# Altium PCB Dashcam.PcbDoc (part 3 of 6) (continued)
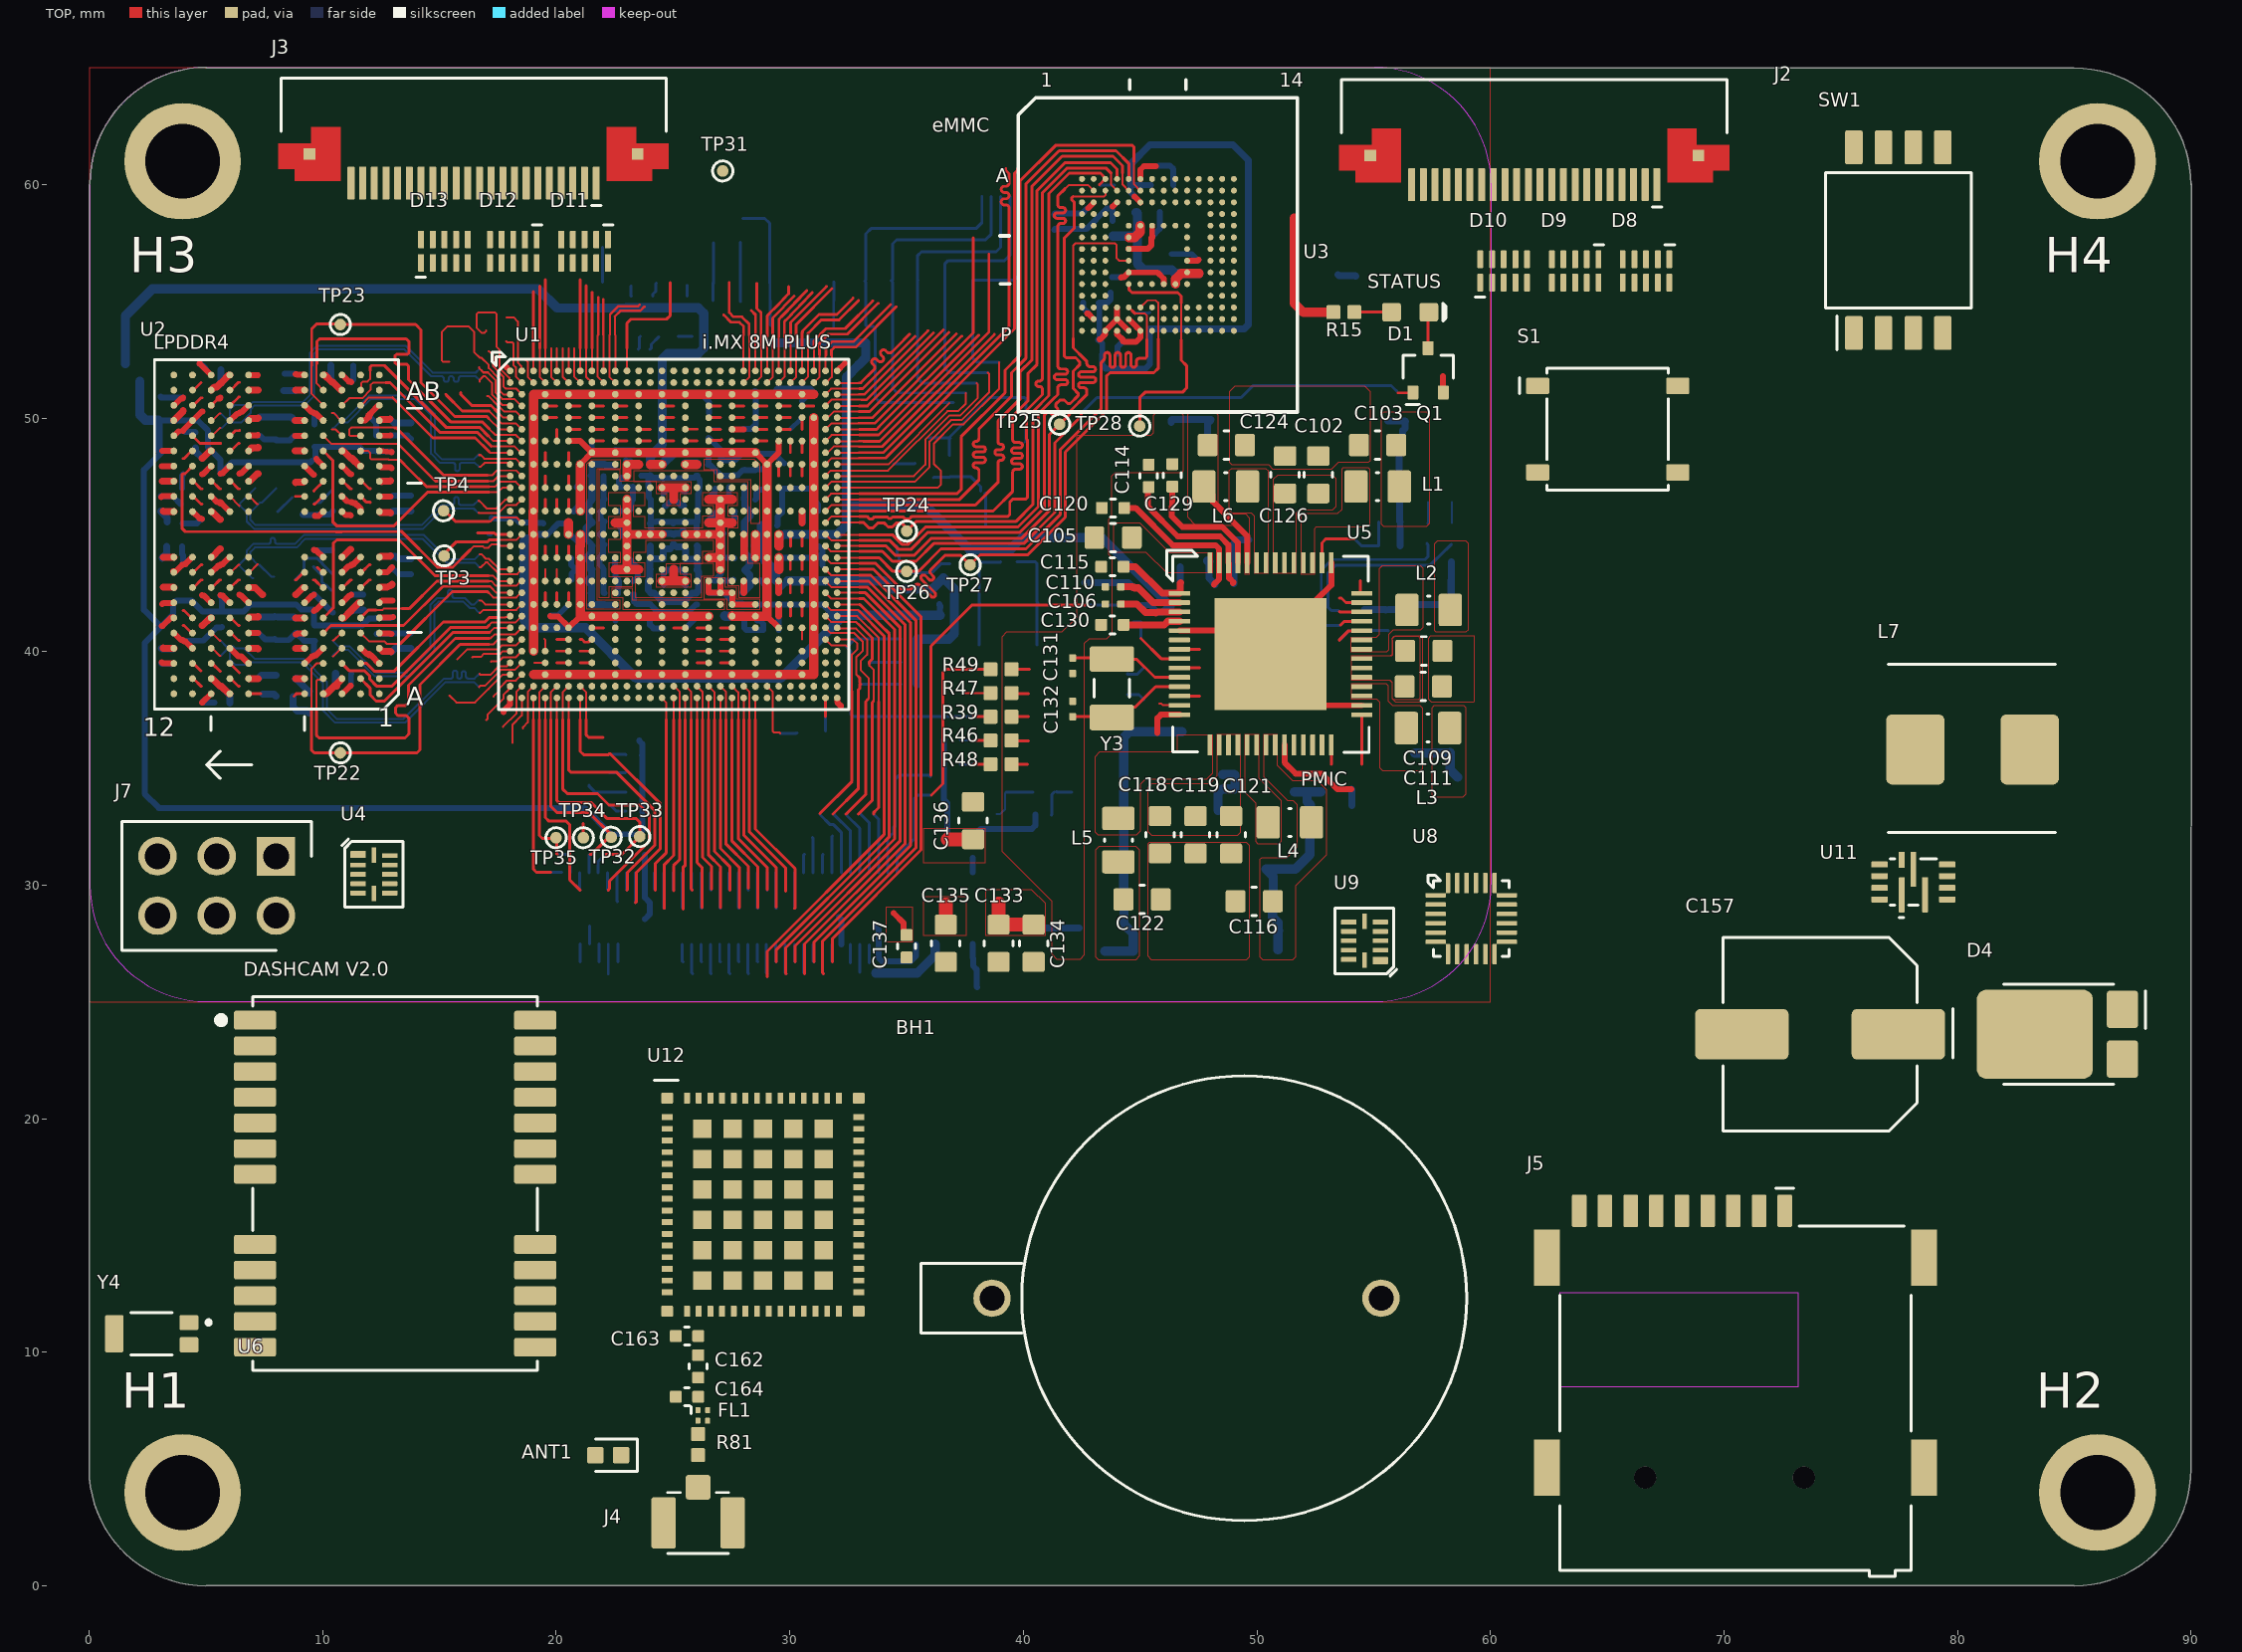
[diagram p0: TOP view]
## Nets (pads, with @x,y where several pads share a name; then routed paths per layer and width w, separated by ;. In a path a pad name is that pad's centre, name@x,y a point inside that pad or via, vN(x,y) a via of type N, cw(c..) or ccw(c..) an arc to the next point about the centre after c; other vN are vias at no path point) (continued)
DRAM_DATA15_B: U1.AH1 U2.B9 | length 15.9
  TOP w0.085: 17.004,37.068 17.06,37.124 17.06,37.31 17.502,37.753 17.738,37.988 17.738,38.152 17.961,38.376 17.961,38.403 18.028,38.47 U1.AH1@18.028,38.525
  L3_IN1 w0.085: 6.412,38.465 6.428,38.449 6.428,36.417 7.072,35.773 16.775,35.773 17.004,36.001 17.004,37.068
DRAM_DMI0_A: U1.B2 U2.Y10 | length 20.1
  TOP w0.085: 17.848,53.297 17.898,53.248 18.118,53.248 18.167,53.198 18.167,52.517 18.167,52.513 18.167,52.288 18.274,52.181 18.274,51.779 18.481,51.572 U1.B2@18.528,51.572
  L3_IN1 w0.085: 5.625,50.911 5.664,50.911 6.006,51.253 6.006,54.162 6.082,54.239 17.309,54.239 17.69,53.858 18.426,53.858 18.502,53.781 18.502,52.993 18.499,52.99 18.453,52.943 17.866,52.943 17.82,52.99 17.817,52.993 17.817,53.265 17.848,53.297
DRAM_DMI0_B: U1.AB2 U2.C3 | length 9.4
  TOP w0.085: 17.122,41.131 17.25,41.259 17.502,41.259 18.262,41.259 U1.AB2@18.528,41.525
  TOP w0.127: U2.C3@10.828,39.5 11.152,39.176 11.797,39.176 12.019,38.954 12.019,38.821 12.3,38.54 12.306,38.54 12.33,38.516 12.949,38.516 15.48,41.047 17.038,41.047 17.122,41.131
DRAM_DMI1_A: U1.H2 U2.Y3 | length 9.5
  TOP w0.085: U2.Y3@10.832,50.581 10.859,50.581 11.138,50.86 11.696,50.86 12.051,51.215 12.051,51.419 12.152,51.521 12.686,51.521 ; 17.209,48.803 18.198,48.803 18.452,48.549 U1.H2@18.553,48.549
  TOP w0.127: 12.686,51.521 12.889,51.521 15.023,49.387 16.625,49.387 17.209,48.803
DRAM_DMI1_B: U1.AH2 U2.C10 | length 19.1
  TOP w0.085: 17.715,36.789 18.3,37.374 18.3,37.523 18.3,37.53 18.3,38.297 U1.AH2@18.528,38.525
  L3_IN1 w0.085: 5.675,39.126 5.677,39.126 6.006,38.797 6.006,35.9 6.844,35.062 17.512,35.062 17.715,35.265 17.715,36.789
DRAM_nCS0_A: U1.N6 U2.R4 | length 18
  TOP w0.12: U1.N6@20.528,46.025 20.528,46.525
  L3_IN1 w0.085: 9.628,46.883 9.641,46.869 10.693,46.869 10.77,46.793 10.77,46.303 10.679,46.212 10.197,46.212 10.008,46.023 10.008,45.609 10.129,45.487 13.386,45.487 13.448,45.55 13.473,45.574 13.498,45.599 13.498,46.185 13.547,46.234 13.768,46.234 13.818,46.185 13.818,45.906 13.867,45.857 15.912,45.857 16.039,45.984 16.039,46.754 16.15,46.865 17.386,46.865 17.663,46.865 cw(c17.663,46.748) 17.781,46.748 17.781,46.422 ccw(c17.898,46.422) 18.016,46.422 18.016,46.76 cw(c18.133,46.76) 18.251,46.76 18.251,46.422 ccw(c18.368,46.422) 18.486,46.422 18.486,46.748 cw(c18.603,46.748) 18.603,46.865 18.8,46.865 20.49,46.865 20.54,46.816 20.54,46.587 20.56,46.568
DRAM_nCS0_B: U1.U4 U2.H4 | length 18.2
  TOP w0.12: U1.U4@19.528,44.025 19.528,44.525
  L3_IN1 w0.085: 9.231,43.85 9.231,43.435 9.593,43.074 ; 9.231,43.875 9.231,43.952 9.282,44.002 9.943,44.002 10.044,44.104 10.044,44.501 10.094,44.551 10.756,44.551 10.806,44.501 10.806,44.231 10.992,44.045 11.679,44.045 12.109,44.475 14.246,44.475 14.565,44.155 14.642,44.155 14.684,44.155 ccw(c14.684,44.247) 14.777,44.247 14.777,44.258 cw(c14.869,44.258) 14.869,44.351 cw(c14.869,44.258) 14.962,44.258 14.962,43.993 ccw(c15.054,43.993) 15.054,43.901 ccw(c15.054,43.993) 15.147,43.993 15.147,44.258 cw(c15.239,44.258) 15.239,44.351 cw(c15.239,44.258) 15.332,44.258 15.332,43.993 ccw(c15.424,43.993) 15.424,43.901 ccw(c15.424,43.993) 15.517,43.993 15.517,44.258 cw(c15.609,44.258) 15.609,44.351 cw(c15.609,44.258) 15.702,44.258 15.702,43.993 ccw(c15.794,43.993) 15.794,43.901 ccw(c15.794,43.993) 15.887,43.993 15.887,44.062 cw(c15.979,44.062) 15.979,44.155 16.013,44.155 16.166,44.002 16.267,43.901 16.267,43.444 16.47,43.24 16.895,43.24 17.502,43.848 17.817,44.162 17.817,44.637 17.867,44.688 18.071,44.688 18.121,44.637 18.121,44.256 18.172,44.206 18.3,44.206 18.35,44.255 18.35,44.638 18.4,44.688 18.605,44.688 18.655,44.638 18.655,44.282 18.756,44.18 19.469,44.18 19.518,44.23 19.518,44.536
DRAM_nCS1_A: U1.J4 U2.R3 | length 18.1
  TOP w0.12: U1.J4@19.528,48.025 19.528,48.525
  L3_IN1 w0.085: 11.227,46.971 10.886,46.971 10.643,47.214 10.643,47.623 10.959,47.939 11.543,47.939 11.619,47.863 11.619,47.635 11.771,47.482 12.229,47.482 12.356,47.609 12.356,48.27 12.178,48.447 11.746,48.447 11.67,48.524 11.67,49.032 11.848,49.209 12.279,49.209 12.544,48.945 12.569,48.92 12.723,48.91 ccw(c12.729,48.995) 12.729,48.91 13.065,48.91 cw(c13.065,48.825) 13.072,48.91 13.102,48.907 ccw(c13.109,48.992) 13.111,48.907 ; 13.112,48.907 13.489,48.92 13.514,48.945 13.676,49.108 17.461,49.108 17.613,49.108 17.692,49.029 cw(c17.609,48.946) 17.692,48.863 17.352,48.524 ccw(c17.435,48.441) 17.352,48.357 ccw(c17.435,48.441) 17.519,48.357 17.87,48.708 cw(c17.953,48.625) 18.036,48.708 cw(c17.953,48.625) 18.036,48.542 17.685,48.191 ccw(c17.768,48.108) 17.685,48.025 ccw(c17.768,48.108) 17.851,48.025 18.19,48.365 cw(c18.273,48.282) 18.357,48.365 18.528,48.193 18.565,48.193 20.016,48.193 20.066,48.243 20.066,48.475 20.016,48.525 19.568,48.525 19.544,48.549
DRAM_nCS1_B: U1.AA6 U2.H3 | length 18.2
  TOP w0.12: U1.AA6@20.528,42.025 20.528,42.525
  L3_IN1 w0.085: 11.213,43.012 11.228,43.012 ; 11.228,43.075 11.695,42.608 11.695,42.072 11.848,41.92 12.559,41.92 12.635,41.843 13.448,41.843 13.854,41.437 13.981,41.437 14.024,41.437 ccw(c14.024,41.53) 14.116,41.53 14.116,41.7 cw(c14.209,41.7) 14.209,41.793 cw(c14.209,41.7) 14.301,41.7 14.301,41.377 ccw(c14.394,41.377) 14.394,41.285 ccw(c14.394,41.377) 14.486,41.377 14.486,41.7 cw(c14.579,41.7) 14.579,41.793 cw(c14.579,41.7) 14.671,41.7 14.671,41.403 ccw(c14.764,41.403) 14.764,41.311 ccw(c14.764,41.403) 14.856,41.403 14.856,41.53 cw(c14.949,41.53) 14.949,41.622 cw(c14.949,41.53) 15.041,41.53 ccw(c15.134,41.53) 15.134,41.437 15.251,41.437 15.311,41.497 16.369,42.555 18.121,42.555 18.528,42.961 21.068,42.961 21.195,42.834 21.195,40.95 21.145,40.9 20.573,40.9 20.523,40.95 20.523,42.018 ; 20.528,41.995 20.528,42.525
DRAM_nRESET: R1.2 U1.T1 U2.T11 | length 18.7
  TOP w0.085: 16.307,44.355 16.459,44.507 16.866,44.507 16.916,44.456 17.094,44.456 17.228,44.59 17.502,44.59 17.545,44.59 17.61,44.525 U1.T1@18.028,44.525
  TOP w0.127: 3.988,47.606 3.988,45.269 4.078,45.179 4.115,45.142 10.573,45.133 10.816,45.133 13.281,45.142 13.386,45.142 14.91,43.618 15.57,43.618 16.307,44.355 ; 4.028,47.625 4.103,47.625 U2.T11@4.428,47.95
  BOTTOM w0.254: R1.2@3.974,46.994 3.974,47.53 4.024,47.58 4.024,47.609
DRAM_SDQS0_A_N: U1.D1 U2.V10 | length 17.1
  TOP w0.086: 16.727,51.556 16.727,51.643 16.828,51.744 16.828,51.753 16.878,51.803 16.95,51.803 17.243,51.51 17.243,51.013 17.692,50.564 17.989,50.564 U1.D1@18.028,50.525
  BOTTOM w0.086: 5.628,49.575 5.679,49.575 5.926,49.822 6.517,49.822 6.92,50.225 6.92,50.392 7.061,50.533 9.209,50.533 9.616,50.94 9.616,52.744 9.812,52.94 13.502,52.94 14.642,51.8 14.819,51.8 15.075,51.8 cw(c15.075,51.694) 15.182,51.694 15.182,51.664 ccw(c15.288,51.664) 15.395,51.664 15.395,51.694 cw(c15.501,51.694) 15.608,51.694 15.608,51.664 ccw(c15.714,51.664) 15.821,51.664 15.821,51.694 cw(c15.927,51.694) 15.927,51.8 16.166,51.8 16.405,51.8 16.414,51.791 16.55,51.791 16.727,51.614 16.727,51.556
DRAM_SDQS0_A_P: U1.D2 U2.W10 | length 17.2
  TOP w0.086: 16.709,52.174 16.709,52.138 16.828,52.019 16.828,52.01 16.878,51.959 17.073,51.959 17.097,51.936 17.122,51.911 17.399,51.634 17.399,51.109 17.681,50.827 18.198,50.827 18.5,50.525 U1.D2@18.528,50.525
  BOTTOM w0.086: 5.628,50.21 5.633,50.21 5.865,49.978 5.981,49.978 6.031,50.028 6.031,50.378 6.215,50.562 6.376,50.562 cw(c6.424,50.219) 6.473,50.562 6.869,50.562 6.996,50.689 9.144,50.689 9.46,51.005 9.46,52.808 9.747,53.096 13.567,53.096 14.706,51.956 14.819,51.956 16.469,51.956 16.479,51.947 16.55,51.947 16.709,52.106 16.709,52.174
DRAM_SDQS0_B_N: U1.AA1 U2.E3 | length 11.4
  TOP w0.086: 16.713,42.196 16.794,42.196 16.965,42.025 U1.AA1@18.028,42.025
  BOTTOM w0.086: 10.428,40.487 10.428,40.475 10.675,40.228 11.167,40.228 12.291,39.104 13.604,39.104 14.616,40.116 14.616,42.021 14.892,42.297 15.037,42.297 15.274,42.297 ccw(c15.274,42.39) 15.367,42.39 15.367,42.557 cw(c15.46,42.557) 15.553,42.557 15.553,42.39 ccw(c15.646,42.39) 15.646,42.297 15.875,42.297 16.09,42.297 16.358,42.029 16.489,42.029 16.664,42.204 16.699,42.204
DRAM_SDQS0_B_P: U1.AA2 U2.D3 | length 11.5
  TOP w0.086: 16.713,41.662 16.75,41.662 16.877,41.789 18.292,41.789 U1.AA2@18.528,42.025 U1.AA2@18.5,42.025
  BOTTOM w0.086: 10.428,39.796 10.428,39.825 10.675,40.072 11.102,40.072 12.226,38.948 13.668,38.948 14.772,40.052 14.772,41.957 14.957,42.141 16.025,42.141 16.293,41.873 16.489,41.873 16.664,41.698 16.699,41.698
DRAM_SDQS1_A_N: U1.J1 U2.V3 | length 10.9
  TOP w0.086: 16.727,47.925 16.77,47.925 16.937,48.092 17.906,48.092 17.973,48.025 U1.J1@18.028,48.025
  BOTTOM w0.086: 10.428,49.575 10.467,49.575 10.708,49.815 11.057,49.815 12.051,50.81 13.956,50.81 14.638,50.127 14.638,48.484 15.034,48.088 15.353,48.088 15.582,48.088 cw(c15.582,47.995) 15.675,47.995 15.675,47.826 ccw(c15.768,47.826) 15.861,47.826 15.861,47.995 cw(c15.954,47.995) 15.954,48.088 16.191,48.088 16.517,48.088 16.68,47.925 16.727,47.925
DRAM_SDQS1_A_P: U1.J2 U2.W3 | length 11
  TOP w0.086: 16.708,48.422 16.766,48.422 16.918,48.27 18.263,48.27 18.508,48.025 U1.J2@18.528,48.025
  BOTTOM w0.086: 10.428,50.225 10.476,50.225 10.73,49.971 10.992,49.971 11.986,50.966 14.02,50.966 14.794,50.192 14.794,48.549 15.099,48.244 16.481,48.244 16.69,48.453 16.708,48.453
DRAM_SDQS1_B_N: U1.AF1 U2.E10 | length 16.5
  TOP w0.086: 16.715,39.059 16.75,39.024 17.193,39.024 17.548,39.379 17.875,39.379 18.021,39.525 U1.AF1@18.028,39.525
  BOTTOM w0.086: 5.628,40.475 5.875,40.228 6.173,40.228 6.26,40.142 6.641,40.142 7.081,39.701 9.182,39.701 10.175,38.708 10.175,37.547 10.599,37.123 13.459,37.123 15.191,38.854 15.438,38.854 15.481,38.854 ccw(c15.481,38.947) 15.574,38.947 15.574,39.102 cw(c15.667,39.102) 15.76,39.102 15.76,38.94 ccw(c15.853,38.94) 15.946,38.94 15.946,39.071 cw(c16.039,39.071) 16.132,39.071 16.132,38.947 ccw(c16.225,38.947) 16.225,38.854 16.462,38.854 16.501,38.854 16.705,39.059 16.715,39.059
DRAM_SDQS1_B_P: U1.AF2 U2.D10 | length 16.5
  TOP w0.086: 16.696,38.494 16.746,38.544 16.944,38.544 17.6,39.2 ; 17.613,39.223 18.226,39.223 U1.AF2@18.528,39.525
  BOTTOM w0.086: 5.628,39.825 5.875,40.072 5.981,40.072 6.031,40.022 6.031,39.659 6.24,39.45 6.711,39.45 6.806,39.545 9.117,39.545 10.019,38.643 10.019,37.483 10.535,36.967 13.524,36.967 15.248,38.691 16.495,38.691 16.692,38.494 16.696,38.494
DRAM_VREF: TP3.1 U1.R2 | length 3.8
  TOP w0.085: 17.502,44.796 18.299,44.796 U1.R2@18.528,45.025
  TOP w0.127: TP3.1@15.2,44.104 15.2,44.18 15.733,44.713 17.06,44.713 17.142,44.796 17.502,44.796
DRAM_ZQ0: U2.A5 | length 1.2
  BOTTOM w0.3: 8.723,38.084 8.723,37.647 8.899,37.471 9.318,37.471 9.409,37.38
DRAM_ZQ1: U2.A8
ECSPI2_MISO: U1.AH20 | length 10.1
  TOP w0.085: U1.AH20@27.528,38.525 27.79,38.263 27.79,37.09
  TOP w0.127: 27.79,37.09 27.79,32.01 29.035,30.765 29.035,29.806
  BOTTOM w0.127: 29.028,29.8 29.028,30.565
ECSPI2_MOSI: U1.AJ21 | length 11.1
  TOP w0.085: 28.028,37.09 U1.AJ21@28.028,38.025
  TOP w0.127: 28.028,37.09 28.028,32.153 29.428,30.753 29.428,29.063
  BOTTOM w0.127: 29.4,30.54 29.4,29.04 29.428,29.012
ECSPI2_SCLK: U1.AH21 | length 10.3
  TOP w0.085: U1.AH21@28.028,38.525 28.273,38.28 28.273,37.09
  TOP w0.127: 28.273,37.09 28.273,32.289 29.822,30.74 29.822,29.752
  BOTTOM w0.127: 29.828,29.8 29.828,30.565
ECSPI2_SS0: U1.AJ22 | length 11.3
  TOP w0.085: 28.528,37.09 U1.AJ22@28.528,38.025
  TOP w0.127: 28.528,37.09 28.528,32.415 30.228,30.715 30.228,29.03 30.211,29.012
  BOTTOM w0.127: 30.2,30.54 30.2,29.023 30.211,29.012
eMMC_VDDIM: C100.2 C101.2 U3.C2 | length 1.9
  TOP w0.254: 42.777,58.989 U3.C2@43.014,59.226
  BOTTOM w0.254: C101.2@41.326,58.731 41.351,58.756 C100.2@41.935,58.756 42.503,58.756 42.736,58.989 42.777,58.989
ENET_MDC: U1.AH28
ENET_MDIO: U1.AH29
ENET_RD0: U1.AG29
ENET_RD1: U1.AG28
ENET_RD2: U1.AF29
ENET_RD3: U1.AF28
ENET_RX_CTL: U1.AE28
ENET_RXC: U1.AE29
ENET_TD0: U1.AC25
ENET_TD1: U1.AE26
ENET_TD2: U1.AF26
ENET_TD3: U1.AD24
ENET_TX_CTL: U1.AF24
ENET_TXC: U1.AE24
GND: ANT1.2 BH1.1 C1.1 C2.1 C3.1 C4.1 C5.1 C6.1 C7.1 C8.1 C9.1 C10.1 C11.1 C12.1 C13.1 C14.1 C15.1 C16.1 C17.1 C18.1 C19.1 C20.1 C21.1 C22.1 C23.1 C24.1 C25.1 C26.1 C27.1 C28.1 C29.1 C30.1 C31.1 C32.1 C33.1 C34.1 C35.1 C36.1 C37.1 C38.1 C39.1 C40.1 C41.1 C42.1 C43.1 C44.1 C45.1 C46.1 C47.1 C48.1 C49.1 C50.1 C51.1 C52.1 C53.1 C54.1 C59.1 C60.1 C61.1 C62.1 C63.1 C64.1 C65.1 C66.1 C67.1 C68.1 C69.1 C70.1 C71.1 C72.1 C73.1 C74.1 C75.1 C76.1 C77.1 C78.1 C79.1 C80.1 C81.1 C82.1 C83.1 C84.1 C85.1 C86.1 C87.1 C88.1 C89.1 C90.1 C91.1 C92.1 C93.1 C94.1 C95.1 C96.1 C97.1 C98.1 C99.1 C100.1 C101.1 C102.1 C103.1 C104.1 C105.1 C106.2 C107.1 C108.1 C109.1 C110.2 C111.1 C112.1 C113.1 C114.1 C115.2 C116.1 C117.1 C118.1 C119.1 C120.2 C121.1 C122.1 C123.1 C124.1 C125.1 C126.1 C127.1 C128.1 C129.1 C130.1 C131.1 C132.1 C133.1 C134.1 C135.1 C136.1 C137.1 C157.2 C158.1 C159.1 C160.1 C161.1 C163.1 C164.1 D8.3 D8.8 D9.3 D9.8 D10.3 D10.8 D11.3 D11.8 D12.3 D12.8 D13.3 D13.8 FL1.3 FL1.4 J2.1 J2.12 J3.1 J3.12 J4.2 J4.3 J5.P6 J5.SH1 J5.SH2 J5.SH3 J5.SH4 J7.5 J7.6 Q1.S R1.1 R2.1 R3.2 R4.1 R5.2 R6.1 R7.1 R8.1 R57.1 S1.1 S1.2 TP2.1 TP47.1 TP49.1 TP50.1 TP51.1 TP52.1 U1.A1 U1.A29 U1.AA3 U1.AA7 U1.AA23 U1.AA27 U1.AB8 U1.AB10 U1.AB12 U1.AB14 U1.AB16 U1.AB18 U1.AB20 U1.AB22 U1.AC3 U1.AC6 U1.AC24 U1.AC27 U1.AE3 U1.AE27 U1.AG4 U1.AG6 U1.AG8 U1.AG10 U1.AG12 U1.AG14 U1.AG16 U1.AG18 U1.AG20 U1.AG22 U1.AG24 U1.AG26 U1.AJ1 U1.AJ29 U1.C4 U1.C6 U1.C8 U1.C10 U1.C12 U1.C14 U1.C16 U1.C18 U1.C20 U1.C22 U1.C24 U1.C26 U1.E3 U1.E27 U1.G3 U1.G6 U1.G24 U1.G27 U1.H8 U1.H10 U1.H12 U1.H14 U1.H16 U1.H18 U1.H20 U1.H22 U1.J3 U1.J7 U1.J23 U1.J27 U1.L3 U1.L7 U1.L14 U1.L16 U1.L23 U1.L27 U1.M11 U1.M19 U1.N3 U1.N7 U1.N11 U1.N19 U1.N23 U1.N27 U1.P11 U1.P19 U1.R3 U1.R7 U1.R11 U1.R12 U1.R13 U1.R14 U1.R16 U1.R17 U1.R18 U1.R19 U1.R23 U1.R27 U1.T11 U1.T19 U1.U3 U1.U7 U1.U11 U1.U18 U1.U19 U1.U23 U1.U27 U1.V11 U1.V19 U1.W3 U1.W7 U1.W14 U1.W16 U1.W23 U1.W27 U2.A3 U2.A10 U2.AB3 U2.AB5 U2.AB8 U2.AB10 U2.C1 U2.C5 U2.C8 U2.C12 U2.D2 U2.D4 U2.D9 U2.D11 U2.E1 U2.E5 U2.E8 U2.E12 U2.G1 U2.G3 U2.G5 U2.G8 U2.G10 U2.G12 U2.J1 U2.J3 U2.J10 U2.J12 U2.K2 U2.K4 U2.K9 U2.K11 U2.N2 U2.N4 U2.N9 U2.N11 U2.P1 U2.P3 U2.P10 U2.P12 U2.T1 U2.T3 U2.T5 U2.T8 U2.T10 U2.T12 U2.V1 U2.V5 U2.V8 U2.V12 U2.W2 U2.W4 U2.W9 U2.W11 U2.Y1 U2.Y5 U2.Y8 U2.Y12 U3.A6 U3.C4 U3.E7 U3.G5 U3.H10 U3.J5 U3.K8 U3.N2 U3.N5 U3.P4 U3.P6 U4.6 U5.5 U5.30 U5.43 U5.57 U6.2 U6.10 U6.12 U6.13 U6.24 U8.18 U8.20 U9.5 U9.6 U9.10 U11.2 U11.10 U12.1 U12.2 U12.15 U12.16 U12.17 U12.18 U12.19 U12.21 U12.22 U12.24 U12.25 U12.26 U12.31 U12.32 U12.33 U12.36 U12.37 U12.43 U12.45 U12.50 U12.51 U12.52 U12.58 U12.60 U12.62 U12.64 U12.65 U12.66 U12.67 U12.68 U12.69 U12.70 U12.71 U12.72 U12.73 U12.74 U12.75 U12.76 U12.77 U12.78 U12.79 U12.80 U12.81 U12.82 U12.83 U12.84 U12.85 U12.86 U12.87 U12.88 U12.89 U12.90 U12.91 U12.92 U12.93 U12.94 Y1.2 Y1.4 Y4.2 Y4.3 | length 198.5
  TOP w0.254: 17.74,37.424 17.74,37.465 18.018,37.743 18.018,38.006 18.028,38.015 U1.AJ1@18.028,38.025 ; 17.817,52.236 17.891,52.162 U1.A1@18.028,52.025 ; 19.745,41.525 19.761,41.51 20.081,41.51 20.521,41.069 20.521,41.042 U1.AC6@20.534,41.042 ; U1.AC6@20.528,41.025 21.028,41.525 ; U1.G6@20.528,49.025 21.028,49.025 U1.H8@21.528,48.525 U1.J7@21.028,48.025 ; U1.H22@28.528,48.525 U1.J23@29.028,48.025 29.528,48.525 U1.G24@29.528,49.025 ; 29.028,41.525 U1.AC24@29.528,41.025 ; U1.AJ29@32.028,38.025 32.035,38.018 32.035,37.837 32.182,37.69 32.182,37.649 ; U1.A29@32.028,52.025 32.359,52.356 ; 42.723,54.489 42.768,54.489 U3.N2@43.014,54.243 ; 43.815,59.061 43.832,59.061 U3.C4@44.014,59.243 ; U3.P4@44.018,53.727 44.018,53.591 44.272,53.337 44.272,53.296 ; 44.174,56.017 44.203,56.046 44.317,56.046 U3.J5@44.514,56.243 ; 44.323,53.27 44.831,53.27 45.014,53.453 U3.P6@45.014,53.743 44.834,53.924 44.834,53.928 U3.N5@44.526,54.235 ; U3.G5@44.501,57.258 45.339,57.258 45.491,57.41 45.491,57.715 45.52,57.745 ; U3.J5@44.526,56.242 45.745,56.242 46.014,55.974 U3.K8@46.014,55.743 ; U3.A6@45.014,60.243 45.014,60.64 45.163,60.789 45.669,60.789 ; U3.E7@45.514,58.243 45.514,57.82 45.517,57.817 ; U5.5@46.688,40.906 48.788,40.906 49.171,40.906 U5.57@49.177,40.9 ; U3.H10@47.041,56.75 47.472,56.75 47.501,56.779 ; U5.57@52.225,37.699 52.231,37.706 U5.30@54.488,37.706 ; U5.57@52.53,42.195 53.188,42.853 U5.43@53.188,43.806 ; 57.974,51.8 57.974,51.106 Q1.S@57.98,51.1
  TOP w0.4: 19.028,39.025 U1.AG4@19.528,39.025 U1.AG6@20.528,39.025 U1.AG8@21.528,39.025 U1.AG10@22.528,39.025 U1.AG12@23.528,39.025 U1.AG14@24.528,39.025 U1.AG16@25.528,39.025 U1.AG18@26.528,39.025 U1.AG20@27.528,39.025 U1.AG22@28.528,39.025 U1.AG24@29.528,39.025 U1.AG26@30.528,39.025 31.028,39.025 U1.AE27@31.028,40.025 U1.AC27@31.028,41.025 U1.AA27@31.028,42.025 U1.W27@31.028,43.025 U1.U27@31.028,44.025 31.026,44.027 31.026,44.509 31.025,44.51 31.026,44.512 31.026,45.023 U1.R27@31.028,45.025 U1.N27@31.028,46.025 U1.L27@31.028,47.025 U1.J27@31.028,48.025 U1.G27@31.028,49.025 U1.E27@31.028,50.025 ; U1.AE3@19.028,40.025 19.035,40.032 19.035,40.268 19.036,40.27 ; 19.028,40.27 U1.AC3@19.028,41.025 19.028,41.073 19.035,41.079 19.035,41.512 19.036,41.513 19.035,41.514 19.035,42.018 U1.AA3@19.028,42.025 19.035,42.032 19.035,42.553 19.036,42.555 19.035,42.556 19.035,43.018 U1.W3@19.028,43.025 19.035,43.032 19.035,43.519 19.036,43.52 19.035,43.521 19.035,44.018 U1.U3@19.028,44.025 19.035,44.032 19.035,44.535 19.036,44.536 19.035,44.537 19.035,45.018 U1.R3@19.028,45.025 19.012,45.041 19.012,45.525 19.01,45.526 19.012,45.528 19.012,46.009 U1.N3@19.028,46.025 U1.L3@19.028,47.025 U1.J3@19.028,48.025 U1.G3@19.028,49.025 U1.E3@19.028,50.025 19.028,51.003 19.036,51.011 19.036,51.013 19.037,51.014 19.428,51.014 19.439,51.025 U1.C4@19.528,51.025 U1.C6@20.528,51.025 U1.C8@21.528,51.025 U1.C10@22.528,51.025 U1.C12@23.528,51.025 U1.C14@24.528,51.025 U1.C16@25.528,51.025 U1.C18@26.528,51.025 U1.C20@27.528,51.025 U1.C22@28.528,51.025 U1.C24@29.528,51.025 U1.C26@30.528,51.025 31.028,51.025 ; 21.01,44.529 21.011,44.528 21.011,44.042 U1.U7@21.028,44.025 U1.W7@21.028,43.025 U1.AA7@21.028,42.025 21.028,41.525 U1.AB8@21.528,41.525 22.028,41.525 U1.AB10@22.528,41.525 U1.AB12@23.528,41.525 U1.AB14@24.528,41.525 U1.AB16@25.528,41.525 U1.AB18@26.528,41.525 ; 21.028,44.529 U1.R7@21.028,45.025 ; U1.N7@21.028,46.025 U1.L7@21.028,47.025 U1.J7@21.028,48.025 ; U1.H8@21.528,48.525 U1.H10@22.528,48.525 U1.H12@23.528,48.525 U1.H14@24.528,48.525 U1.H16@25.528,48.525 U1.H18@26.528,48.525 U1.H20@27.528,48.525 U1.H22@28.528,48.525 ; 22.528,43.525 U1.V11@23.028,43.525 ; 22.528,45.525 22.529,45.524 23.013,45.524 U1.P11@23.015,45.522 ; U1.M11@23.028,46.525 U1.N11@23.028,46.025 U1.P11@23.028,45.525 U1.R11@23.028,45.025 ; 23.528,43.525 U1.V11@23.028,43.525 ; U1.W14@24.528,43.025 25.028,43.025 ; U1.R14@24.528,45.025 U1.R13@24.028,45.025 U1.R12@23.528,45.025 U1.R11@23.028,45.025 ; U1.L14@24.528,47.025 25.028,47.025 ; 25.028,43.525 25.028,43.025 ; 25.028,46.525 25.028,47.025 ; U1.W16@25.528,43.025 25.028,43.025 ; U1.R16@25.528,45.025 U1.R17@26.028,45.025 U1.R18@26.528,45.025 U1.R19@27.028,45.025 ; U1.L16@25.528,47.025 25.028,47.025 ; U1.U18@26.528,44.025 U1.U19@27.028,44.025 ; 26.528,45.525 26.529,45.524 U1.P19@27.028,45.525 ; 26.528,46.525 U1.M19@27.028,46.525 ; U1.V19@27.028,43.525 U1.U19@27.028,44.025 ; U1.P19@27.028,45.525 U1.N19@27.028,46.025 U1.M19@27.028,46.525 ; 27.528,45.525 27.527,45.524 U1.P19@27.028,45.525 ; 27.528,46.525 U1.M19@27.028,46.525 ; U1.AB20@27.536,41.535 27.546,41.525 28.028,41.525 U1.AB22@28.528,41.525 29.028,41.525 U1.AA23@29.028,42.025 29.028,42.079 29.019,42.087 29.019,42.528 29.018,42.529 29.019,42.53 29.019,43.016 U1.W23@29.028,43.025 U1.U23@29.028,44.025 U1.R23@29.028,45.025 U1.N23@29.028,46.025 U1.L23@29.028,47.025 U1.J23@29.028,48.025 ; U1.V11@23.028,43.525 U1.U11@23.028,44.025 U1.T11@23.028,44.525 U1.R11@23.028,45.025 ; U1.U19@27.028,44.025 U1.T19@27.028,44.525 U1.R19@27.028,45.025 ; U1.R19@27.028,45.025 U1.P19@27.028,45.525
  L2_GND w0.254: 4.089,46.971 4.205,46.971 4.828,47.594 5.475,48.241 5.486,48.241 ; 4.877,48.876 5.359,48.393 ; 6.424,50.219 7.01,49.633 7.01,49.486
  BOTTOM w0.254: 3.059,46.669 3.088,46.64 3.596,46.64 R1.1@3.923,46.314 ; C71.1@3.059,50.937 3.059,50.905 3.085,50.879 4.024,50.879 4.028,50.875 ; 3.085,39.507 3.114,39.478 3.495,39.478 C82.1@3.516,39.456 ; C83.1@3.974,44.51 3.974,44.18 4.028,44.126 4.028,43.725 ; C84.1@3.999,45.501 4.613,45.501 4.765,45.653 4.812,45.653 ; 3.999,49.463 4.024,49.463 4.066,49.463 4.116,49.413 4.532,49.413 C86.1@4.558,49.387 ; 4.05,40.472 4.053,40.475 4.891,40.475 5.447,41.031 5.65,41.031 C74.1@5.675,41.056 ; 4.724,52.33 4.766,52.33 4.856,52.24 4.88,52.24 C87.1@4.99,52.13 ; 4.863,37.856 4.888,37.83 C81.1@5.371,37.83 ; 7.228,49.281 7.257,49.252 7.326,49.252 7.493,49.085 C77.1@8.012,49.085 ; 7.234,40.807 7.262,40.807 7.546,40.523 7.911,40.523 C78.1@7.936,40.548 ; C78.1@7.987,40.497 8.548,40.497 8.787,40.736 8.828,40.736 ; C77.1@8.012,49.057 8.594,49.057 8.787,49.25 8.81,49.25 ; C88.1@8.368,51.902 8.818,51.902 8.828,51.892 ; 8.828,40.8 8.869,40.8 9.197,40.472 C75.1@9.663,40.472 ; 9.13,45.882 9.158,45.853 9.633,45.853 9.662,45.824 ; C75.1@9.612,40.421 9.628,40.406 9.628,39.899 9.627,39.898 9.627,39.829 ; 9.627,42.475 9.627,42.471 10.425,41.673 ; 9.628,44.368 9.657,44.339 10.381,44.339 R57.1@10.4,44.358 ; C72.1@9.638,49.74 9.638,50.175 ; 9.663,45.824 9.703,45.824 9.748,45.869 10.285,45.869 10.441,46.025 ; 11.213,38.541 11.213,39.049 11.223,39.059 C80.1@11.228,39.059 ; 11.228,42.443 11.233,42.448 11.741,42.448 C91.1@11.746,42.453 ; 11.228,51.536 11.228,51.577 11.312,51.661 C85.1@11.312,52.257 ; 12,50.042 12.031,50.042 12.279,49.794 C73.1@12.279,49.26 ; C76.1@12.305,40.76 12.305,40.766 12.933,40.766 12.944,40.754 ; 12.897,49.255 12.902,49.26 13.626,49.26 C92.1@13.778,49.108 ; 12.914,46.634 12.956,46.634 13.016,46.695 C89.1@13.778,46.695 ; 12.932,40.783 13.76,40.783 C79.1@13.778,40.802 ; 12.965,43.611 12.965,43.596 13.244,43.317 C90.1@13.778,43.317 ; R2.1@17.232,45.73 17.258,45.704 18.248,45.704 18.426,45.526 19.01,45.526 19.023,45.514 19.43,45.514 C34.1@19.442,45.501 ; 19.745,41.525 19.769,41.548 20.064,41.548 C161.1@20.512,41.996 ; C59.1@20.611,45.018 20.981,44.648 20.981,44.558 21.01,44.529 ; C60.1@20.636,44.002 20.636,43.723 20.788,43.571 ; C61.1@20.661,43.088 20.661,43.347 20.81,43.496 20.999,43.496 21.028,43.525 ; 20.738,46.009 21.017,46.288 21.017,46.542 ; C159.1@20.865,47.05 21.042,47.228 21.042,47.533 21.017,47.558 ; C54.1@21.525,48.978 21.525,48.701 21.672,48.554 22.002,48.554 22.03,48.527 ; 22.028,41.525 22.352,41.525 C62.1@22.541,41.336 ; 22.028,48.525 22.03,48.527 ; 22.033,48.524 22.03,48.527 ; C41.1@22.49,44.002 22.515,43.977 22.515,43.596 ; 22.528,43.525 22.536,43.516 22.536,43.216 22.668,43.084 22.668,43.037 C47.1@22.693,43.012 ; 22.528,45.525 22.568,45.525 22.795,45.298 22.795,45.12 C38.1@22.82,45.095 ; C40.1@22.541,46.009 22.553,46.022 23.062,46.022 C25.1@23.074,46.034 ; 22.541,48.651 22.445,48.554 22.057,48.554 22.03,48.527 ; 22.566,48.625 23.354,48.625 C18.1@23.43,48.549 ; C2.1@22.643,42.478 22.643,42.707 22.693,42.758 22.693,42.986 C47.1@22.668,42.986 ; C39.1@22.693,47.05 22.693,47.359 22.791,47.457 22.973,47.457 22.998,47.482 C8.1@22.998,47.508 ; C39.1@22.719,47.05 C28.1@23.278,47.05 ; C38.1@22.846,44.968 22.884,45.006 23.417,45.006 C52.1@23.43,44.993 ; C11.1@23.052,44.028 23.506,43.573 23.506,43.52 ; C25.1@23.102,46.034 23.229,46.161 23.229,46.469 23.278,46.517 C28.1@23.278,47.05 ; C20.1@23.278,43.012 23.499,43.233 23.499,43.496 ; C28.1@23.278,47.076 C28.1@23.278,47.05 ; 23.8,28.556 24.003,28.759 24.003,29.267 23.801,29.469 23.801,31.305 ; 24.014,41.513 24.014,41.154 24.163,41.005 C3.1@24.573,41.005 ; C14.1@24.573,43.342 24.598,43.342 24.76,43.504 25.007,43.504 25.028,43.525 25.049,43.504 25.376,43.504 C15.1@25.513,43.367 ; C26.1@24.573,46.771 24.798,46.996 24.999,46.996 25.028,47.025 25.057,46.996 25.364,46.996 C27.1@25.513,46.847 ; C22.1@24.598,42.859 24.735,42.996 24.999,42.996 25.028,43.025 25.057,42.996 25.376,42.996 C23.1@25.538,42.834 ; C31.1@24.649,46.238 24.699,46.238 24.987,46.525 25.028,46.525 25.069,46.525 25.331,46.263 C32.1@25.487,46.263 ; C4.1@25.538,41.005 26.046,41.513 26.072,41.513 ; 26.228,51.009 26.545,50.691 C65.1@26.545,50.221 ; 26.528,46.525 26.528,46.566 26.808,46.847 C30.1@26.808,46.974 ; C42.1@26.529,49.158 27.062,48.625 C43.1@27.062,48.193 27.469,48.193 C44.1@27.494,48.168 ; C53.1@26.656,45.018 27.113,45.018 C46.1@27.164,45.069 ; C46.1@27.126,44.891 27.126,44.094 C19.1@27.06,44.028 ; C48.1@27.392,47.05 27.392,46.702 27.528,46.566 27.528,46.525 ; C51.1@27.596,43.088 27.545,43.037 C21.1@26.757,43.037 27.06,43.34 C19.1@27.06,44.028 ; C44.1@27.596,48.219 27.681,48.219 27.961,48.498 28.002,48.498 28.028,48.473 28.51,48.473 C45.1@28.535,48.447 ; C50.1@27.621,44.003 27.596,44.028 C19.1@27.06,44.028 ; 27.621,45.704 27.621,45.983 C49.1@27.647,46.009 ; 28.053,41.455 28.053,41.027 28.151,40.929 C24.1@28.866,40.929 ; C35.1@28.586,41.361 28.612,41.336 28.717,41.336 28.866,41.187 C24.1@28.866,40.98 ; C45.1@28.586,48.473 29.348,48.473 C7.1@29.754,48.066 ; C16.1@28.739,43.063 28.989,42.812 28.989,42.558 29.018,42.529 ; C9.1@29.45,45.399 29.475,45.425 29.475,45.781 29.653,45.958 C36.1@29.678,45.958 ; C10.1@29.602,44.028 31.202,44.028 31.406,44.231 ; C36.1@29.678,45.984 29.678,46.872 C37.1@29.704,46.898 ; C37.1@29.704,46.974 30.872,46.974 30.999,46.847 30.999,46.593 31.025,46.568 ; C64.1@30.517,50.733 30.779,50.996 31.033,50.996 31.05,51.013 ; 31.025,44.51 31.253,44.51 C5.1@31.38,44.383 ; 31.028,46.525 31.028,46.484 31.202,46.309 C6.1@31.202,46.034 ; C17.1@31.406,43.697 31.406,44.231 ; C5.1@31.406,44.384 31.406,44.231 ; C101.1@41.326,58.071 41.351,58.096 C100.1@41.935,58.096 42.697,58.096 43.586,58.985 43.739,58.985 ; C98.1@42.571,54.947 42.57,54.716 42.748,54.538 42.748,54.489 ; 43.768,58.989 43.763,58.985 43.739,58.985 ; C97.1@43.79,56.039 44.152,56.039 44.174,56.017 ; C94.1@43.815,58.452 43.815,58.901 43.739,58.977 43.739,58.985 ; C99.1@44.043,52.762 44.044,53.067 44.272,53.296 44.272,53.274 ; 45.517,57.741 45.517,57.782 45.844,58.11 C93.1@45.844,58.833 ; 45.796,60.814 46.28,60.814 46.429,60.665 C96.1@46.429,59.976 ; C95.1@46.355,57.029 47.21,57.029 47.46,56.779 47.501,56.779
  BOTTOM w0.3: C12.1@24.573,45.069 24.912,45.069 24.936,45.045 25.008,45.045 25.028,45.025 25.057,45.025 25.1,45.069 25.327,45.069 C13.1@25.425,45.168
  BOTTOM w0.4: C1.1@24.573,48.066 25.03,48.524 ; 26.58,45.58 C29.1@27.034,46.034 ; C33.1@27.215,41.541 27.243,41.513 28.002,41.513 ; C63.1@29.498,51.191 30.847,51.191 30.999,51.038
GPIO1_IO00: TP20.1 U1.A7 | length 5.4
  TOP w0.085: U1.A7@21.028,52.025 21.028,52.99
  TOP w0.127: 21.028,52.99 21.028,55.931
  BOTTOM w0.127: TP20.1@21.973,55.835 21.986,55.848 21.986,57.321
GPIO1_IO01: U1.E8 | length 16.9
  TOP w0.12: U1.E8@21.528,50.025 22.023,50.025
  L3_IN1 w0.085: 15.014,59.492 15.014,58.4 14.226,57.613 14.226,56.584 14.769,56.042 20.542,56.042 21.719,54.864 21.719,50.324 22.018,50.025 22.023,50.025
GPIO1_IO05: U1.B4 | length 4.2
  TOP w0.085: 19.306,52.99 19.306,51.746 U1.B4@19.528,51.525
  TOP w0.127: 19.306,52.99 19.306,55.657
GPIO1_IO06: U1.A3 | length 3.4
  TOP w0.085: U1.A3@19.028,52.025 19.028,52.513 19.028,52.517
  TOP w0.127: 19.028,52.517 19.028,55.428
GPIO1_IO07: U1.F6 | length 17.5
  TOP w0.12: U1.F6@20.528,49.525 21.028,49.525
  L3_IN1 w0.085: 12.093,59.492 12.093,58.629 13.287,57.435 13.287,56.216 14.386,55.117 20.05,55.117 20.333,54.833 20.333,50.219 21.028,49.525
GPIO1_IO08: U1.A8 | length 3.4
  TOP w0.085: U1.A8@21.528,52.025 21.528,52.99
  TOP w0.127: 21.528,52.99 21.528,55.389
GPIO1_IO09: U1.B8 | length 4.2
  TOP w0.085: 21.278,52.99 21.278,51.774 U1.B8@21.528,51.525
  TOP w0.127: 21.278,52.99 21.278,55.67
GPIO1_IO10: U1.B7 | length 1.6
  TOP w0.085: 20.778,52.99 20.778,51.774 U1.B7@21.028,51.525
GPIO1_IO11: U1.D8 | length 16.5
  TOP w0.12: U1.D8@21.528,50.525 22.023,50.525
  L3_IN1 w0.085: 15.595,59.495 15.595,58.677 14.43,57.511 14.43,56.643 14.845,56.227 20.642,56.227 22.028,54.841 22.028,50.53 22.023,50.525
GPIO1_IO12: U1.A5 | length 1
  TOP w0.085: U1.A5@20.028,52.025 20.028,52.99
GPIO1_IO13: U1.A6 | length 1
  TOP w0.085: U1.A6@20.528,52.025 20.528,52.99
GPIO1_IO14: U1.A4 | length 3.9
  TOP w0.085: U1.A4@19.533,52.031 19.533,52.99
  TOP w0.127: 19.533,52.99 19.533,55.938
GPIO1_IO15: U1.B5 | length 1.6
  TOP w0.085: 19.778,52.99 19.778,51.774 U1.B5@20.028,51.525
GPS_ANT: U6.11 Y4.1